# Altium PCB WhiteRHINO_0v1.PcbDoc (part 1 of 10) (continued)
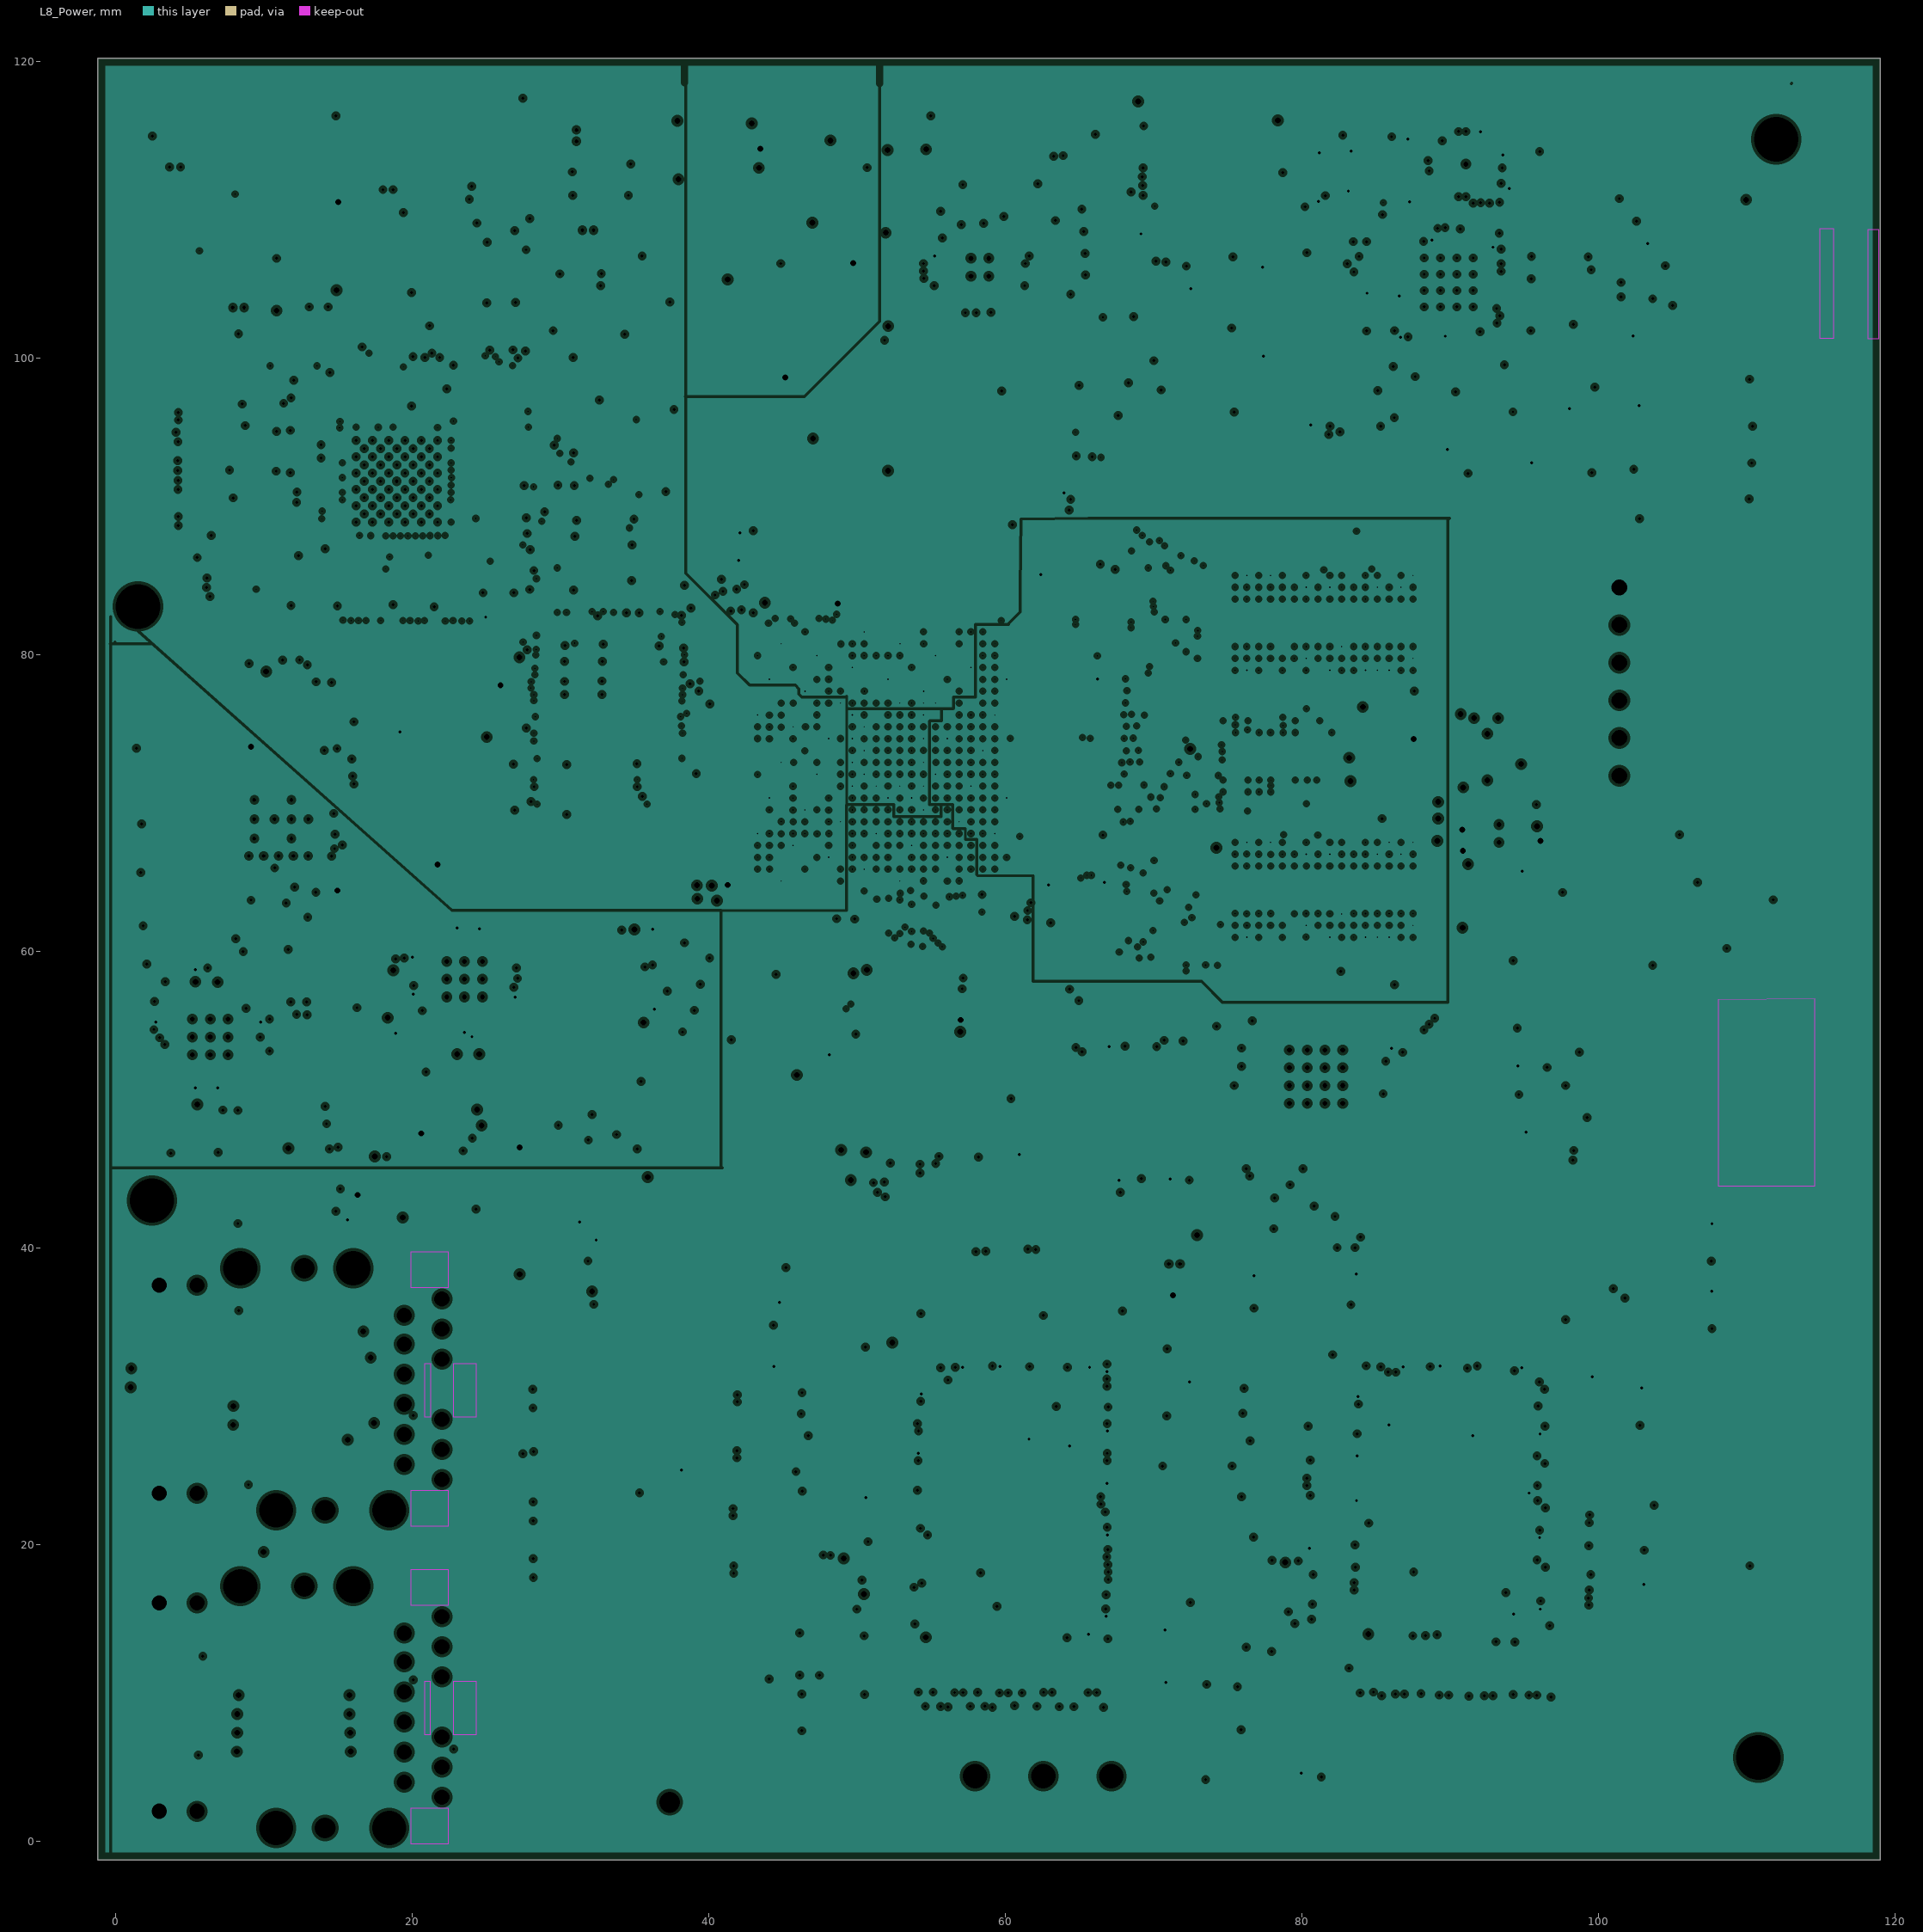
[diagram p8: L8_Power, clearances drawn from the general rule]
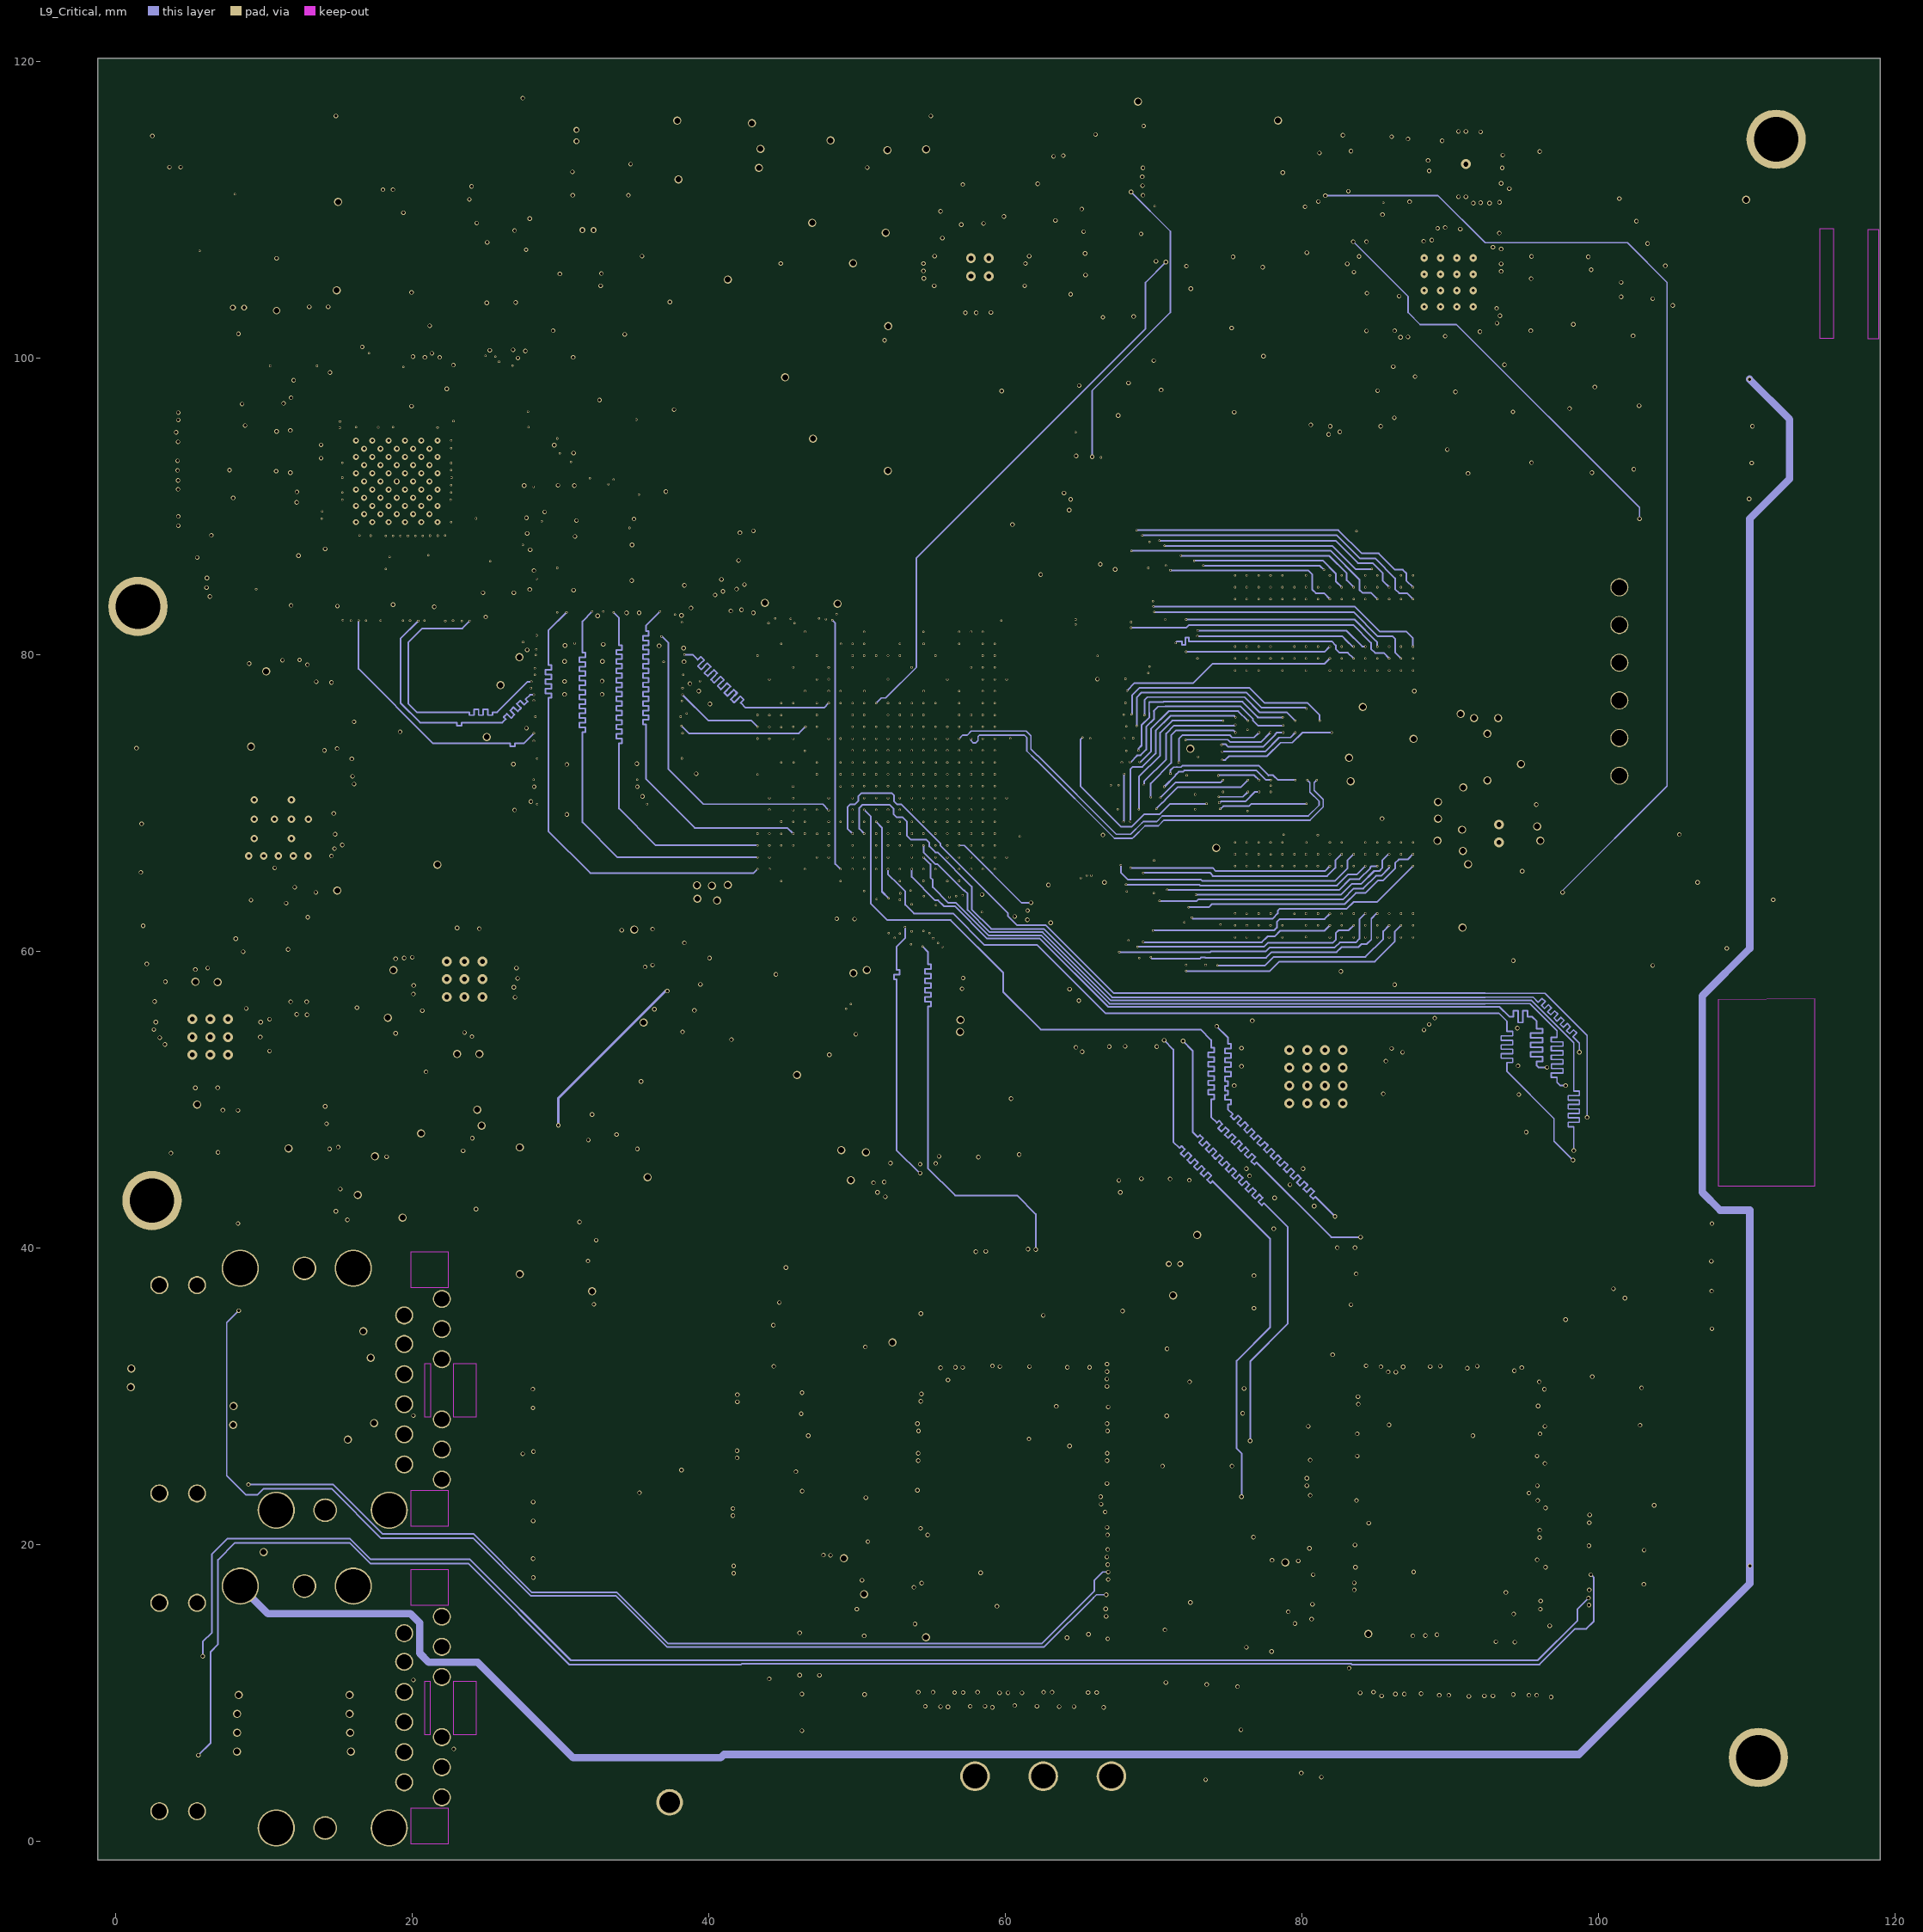
[diagram p9: L9_Critical]
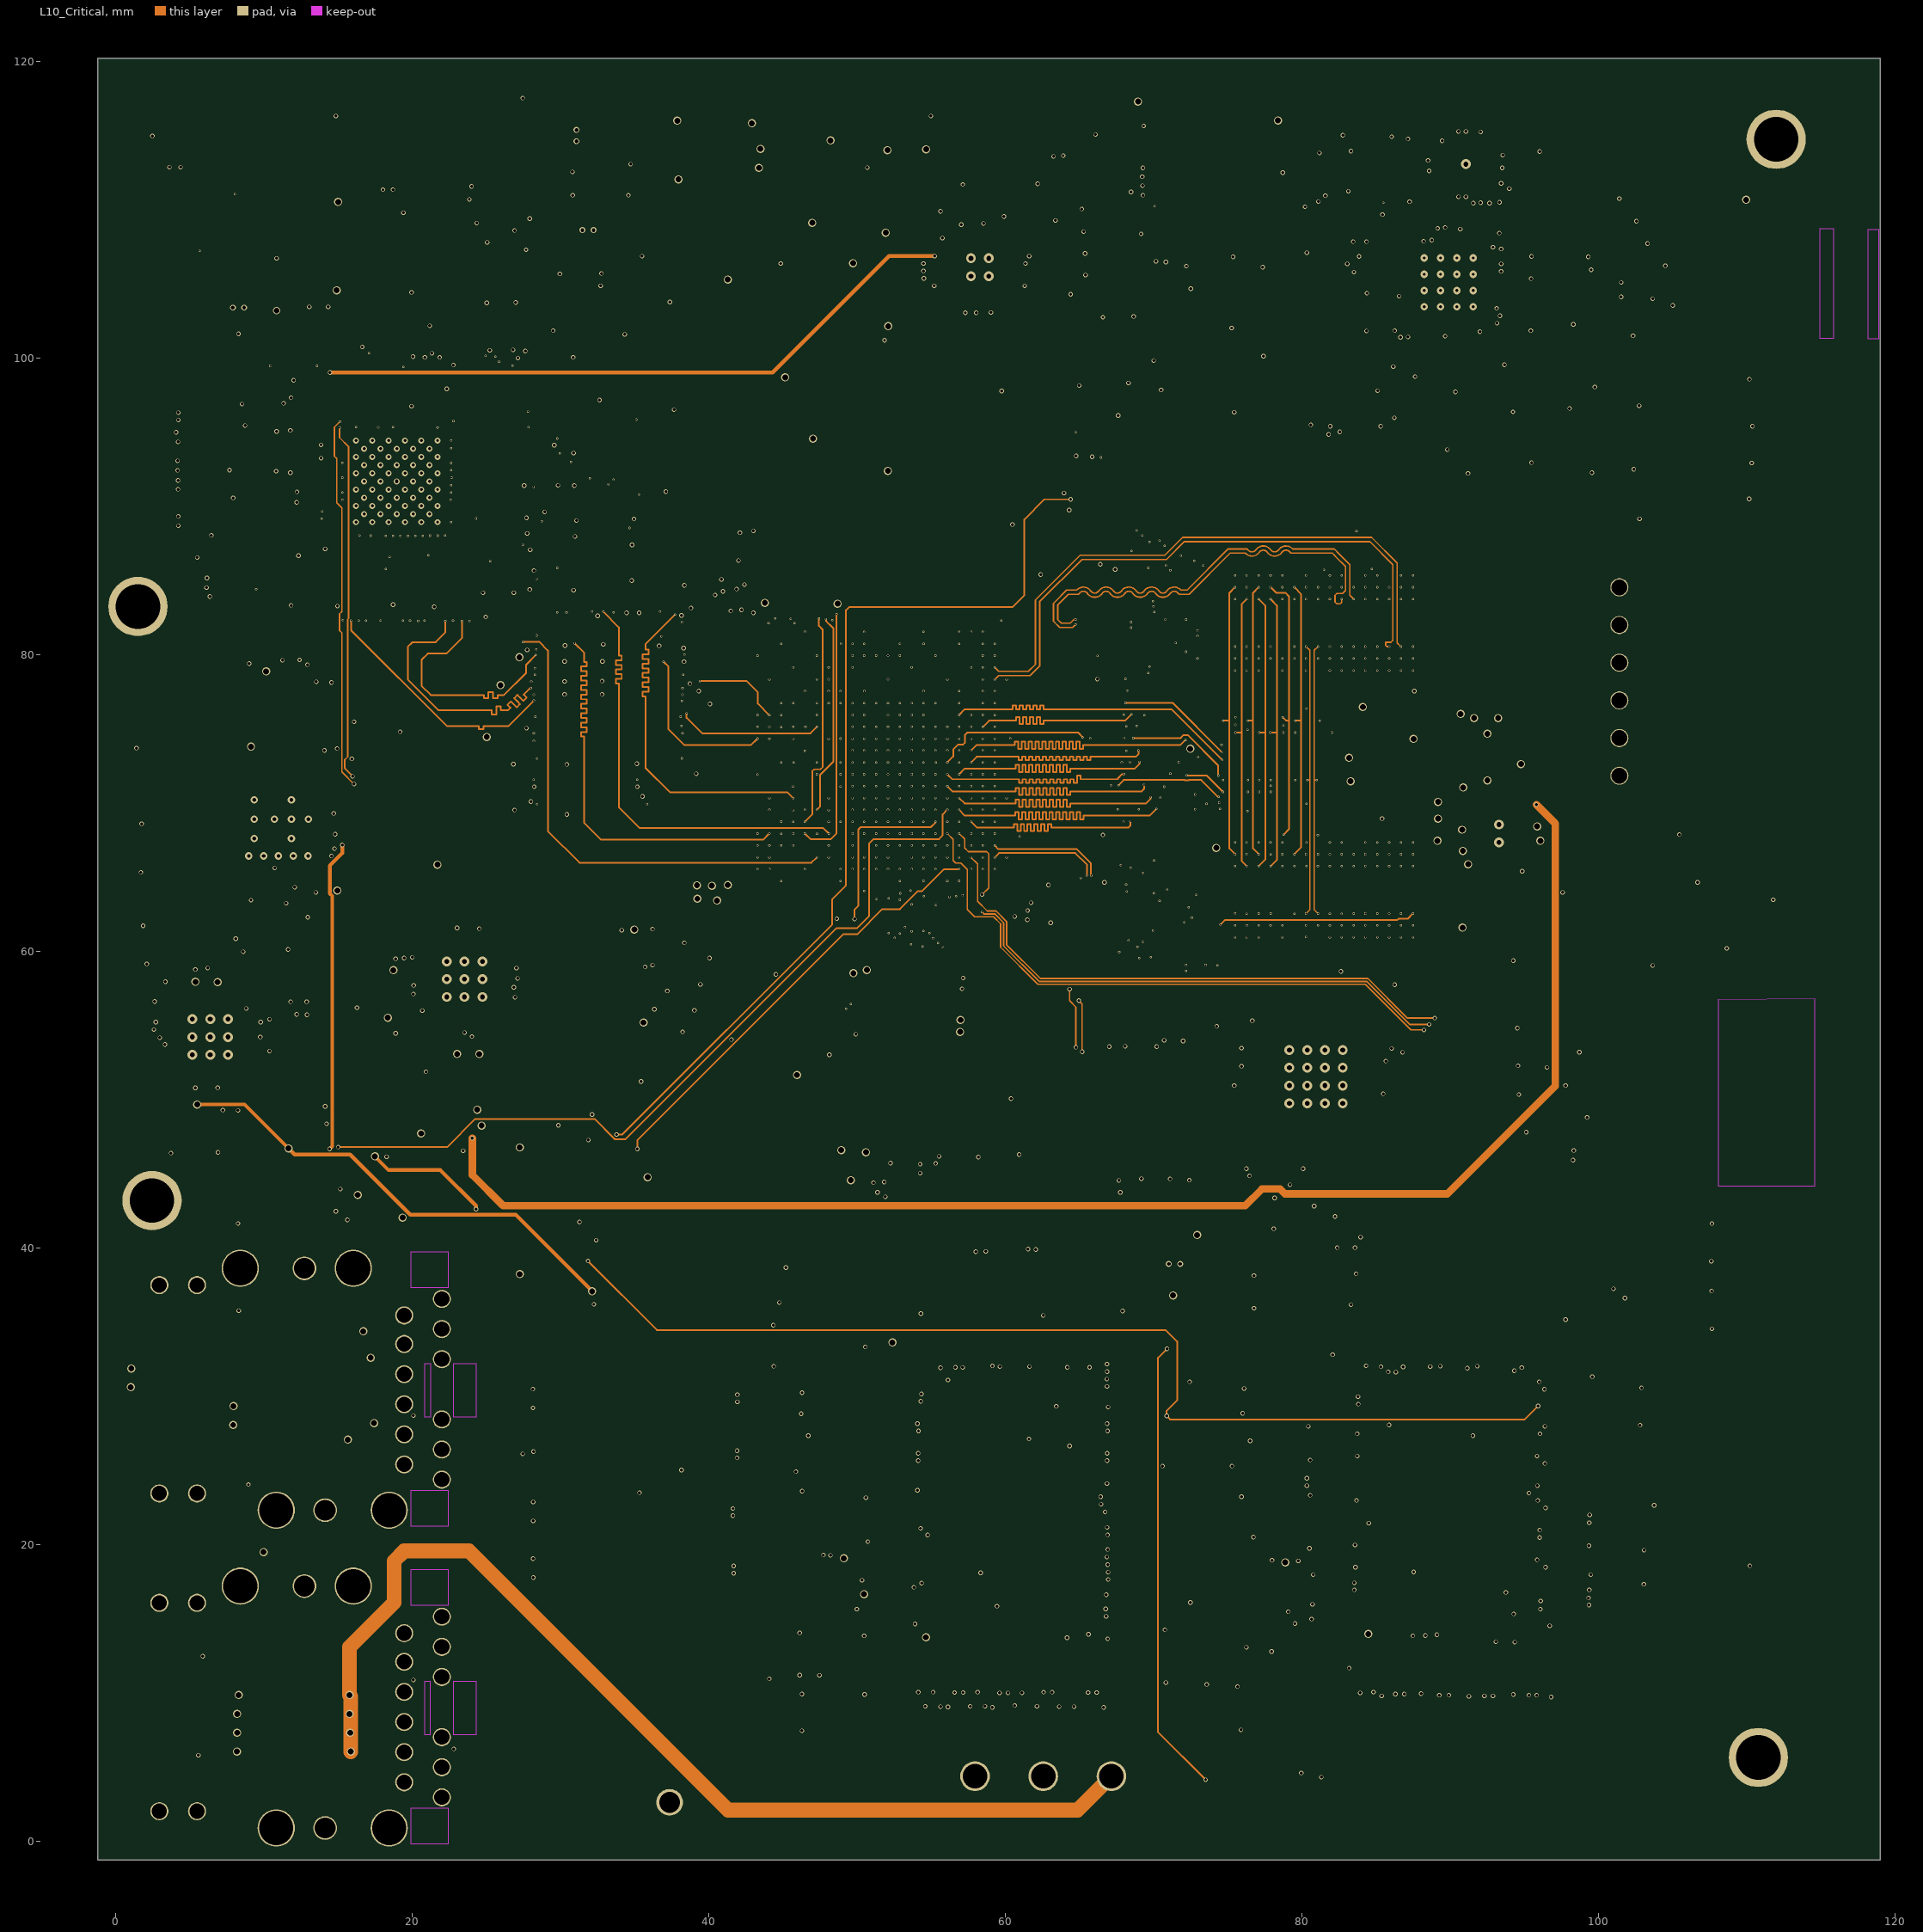
[diagram p10: L10_Critical]